# KiCad board nsec-badge-2025-panel.kicad_pcb
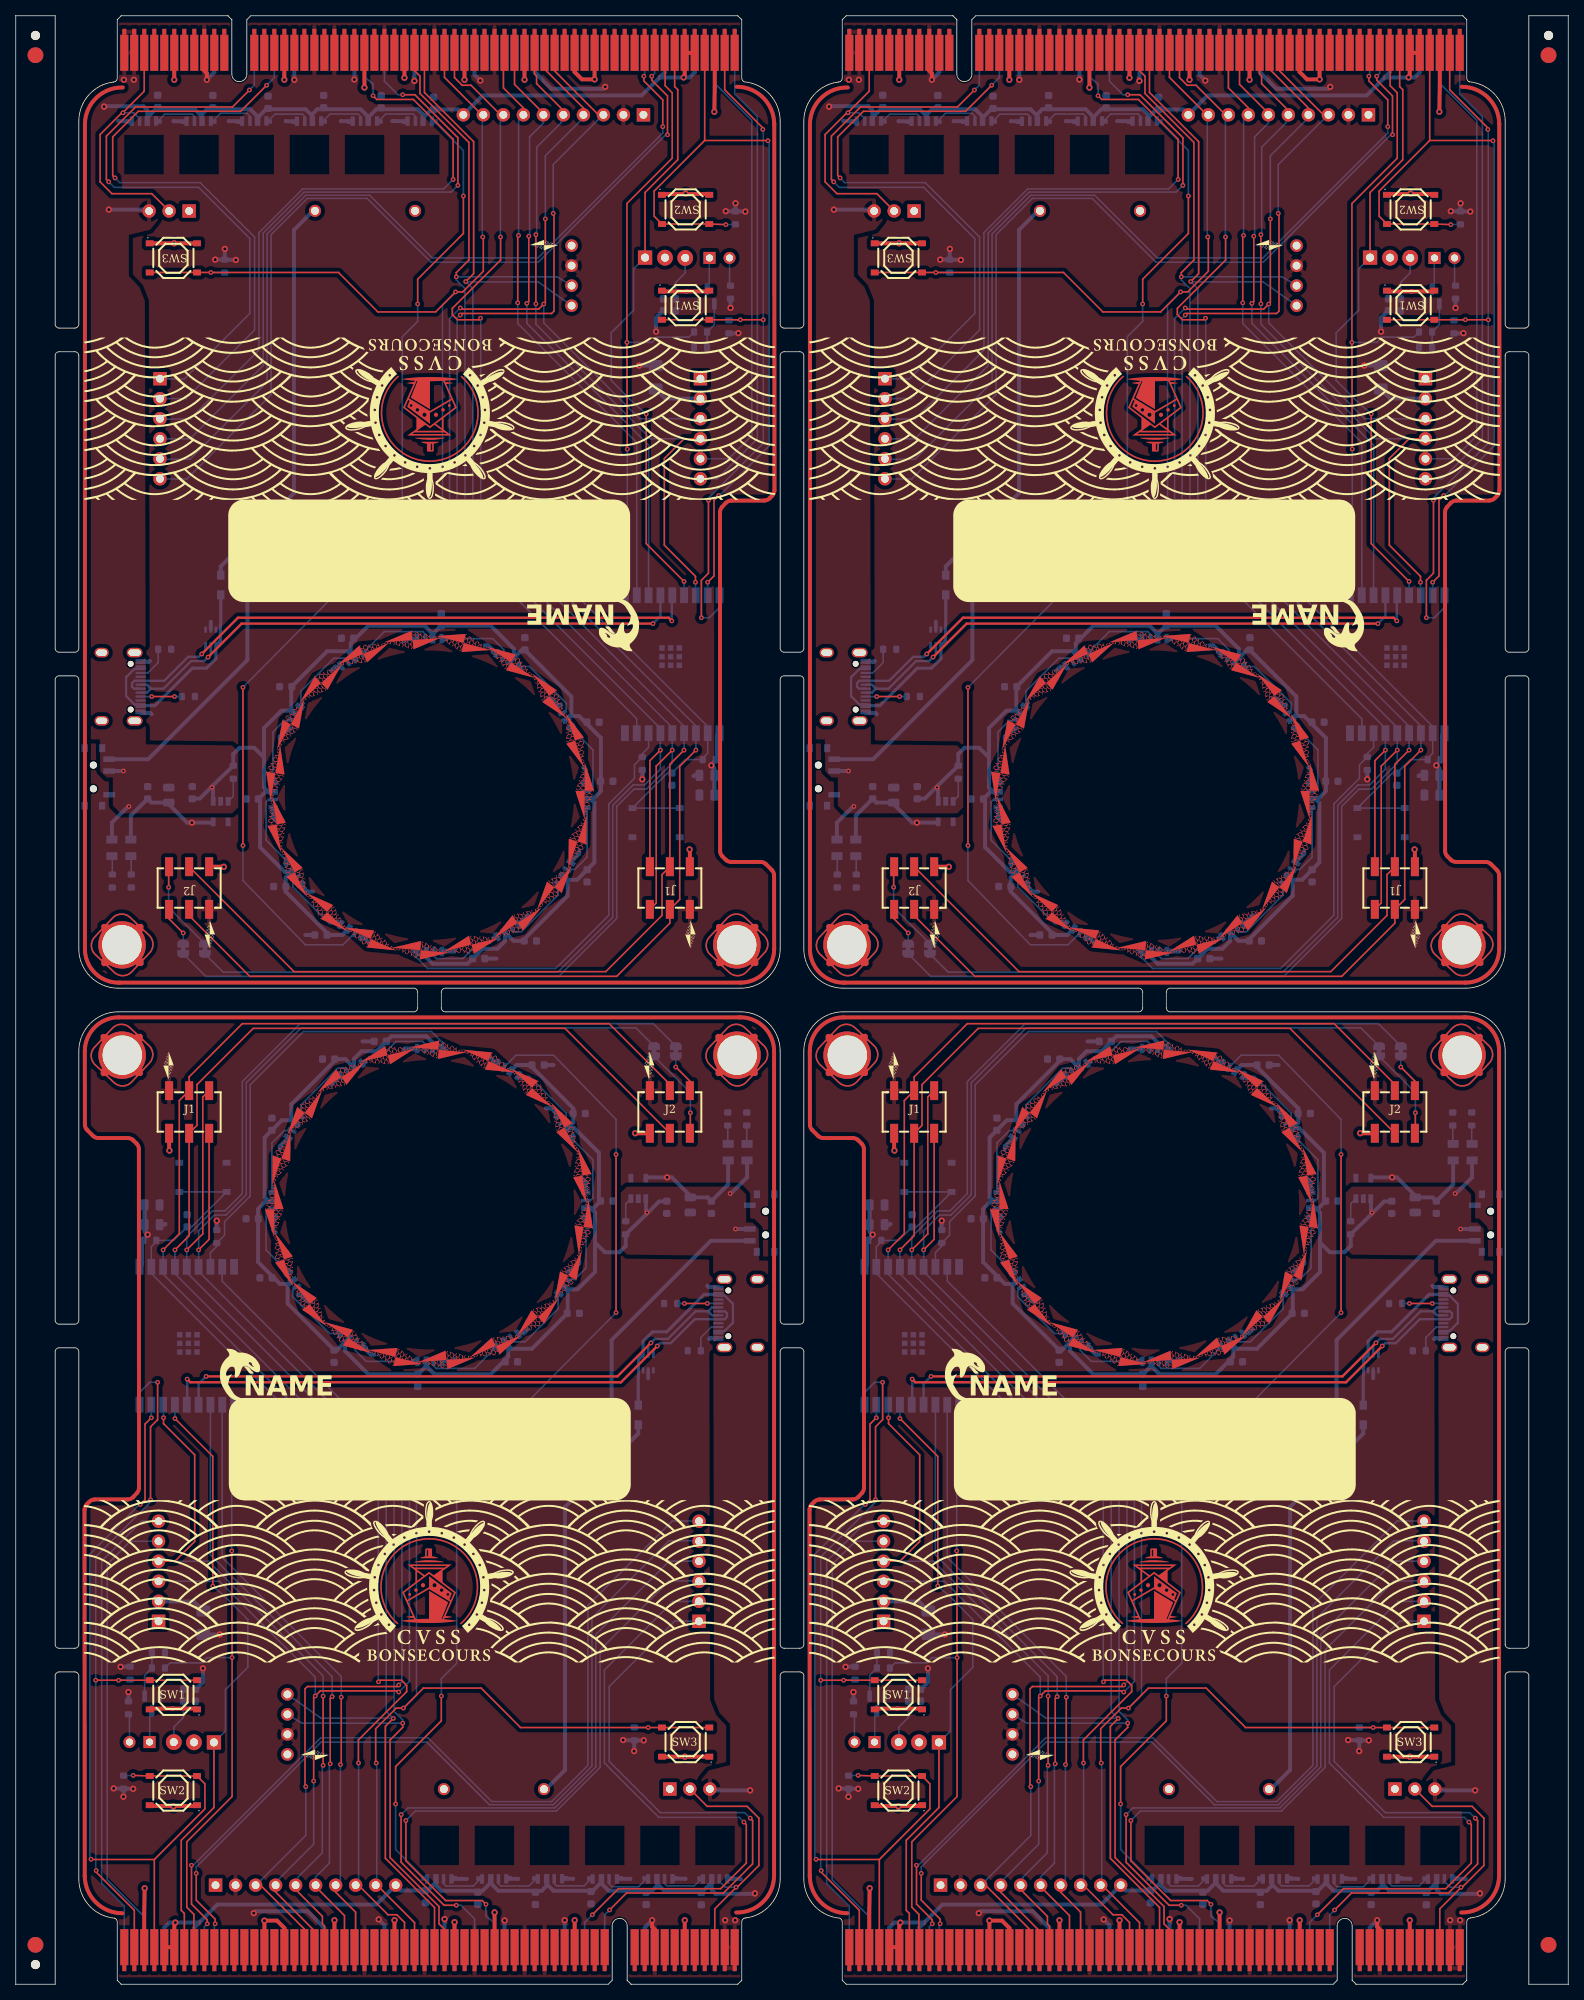
[diagram p0: board, top side]
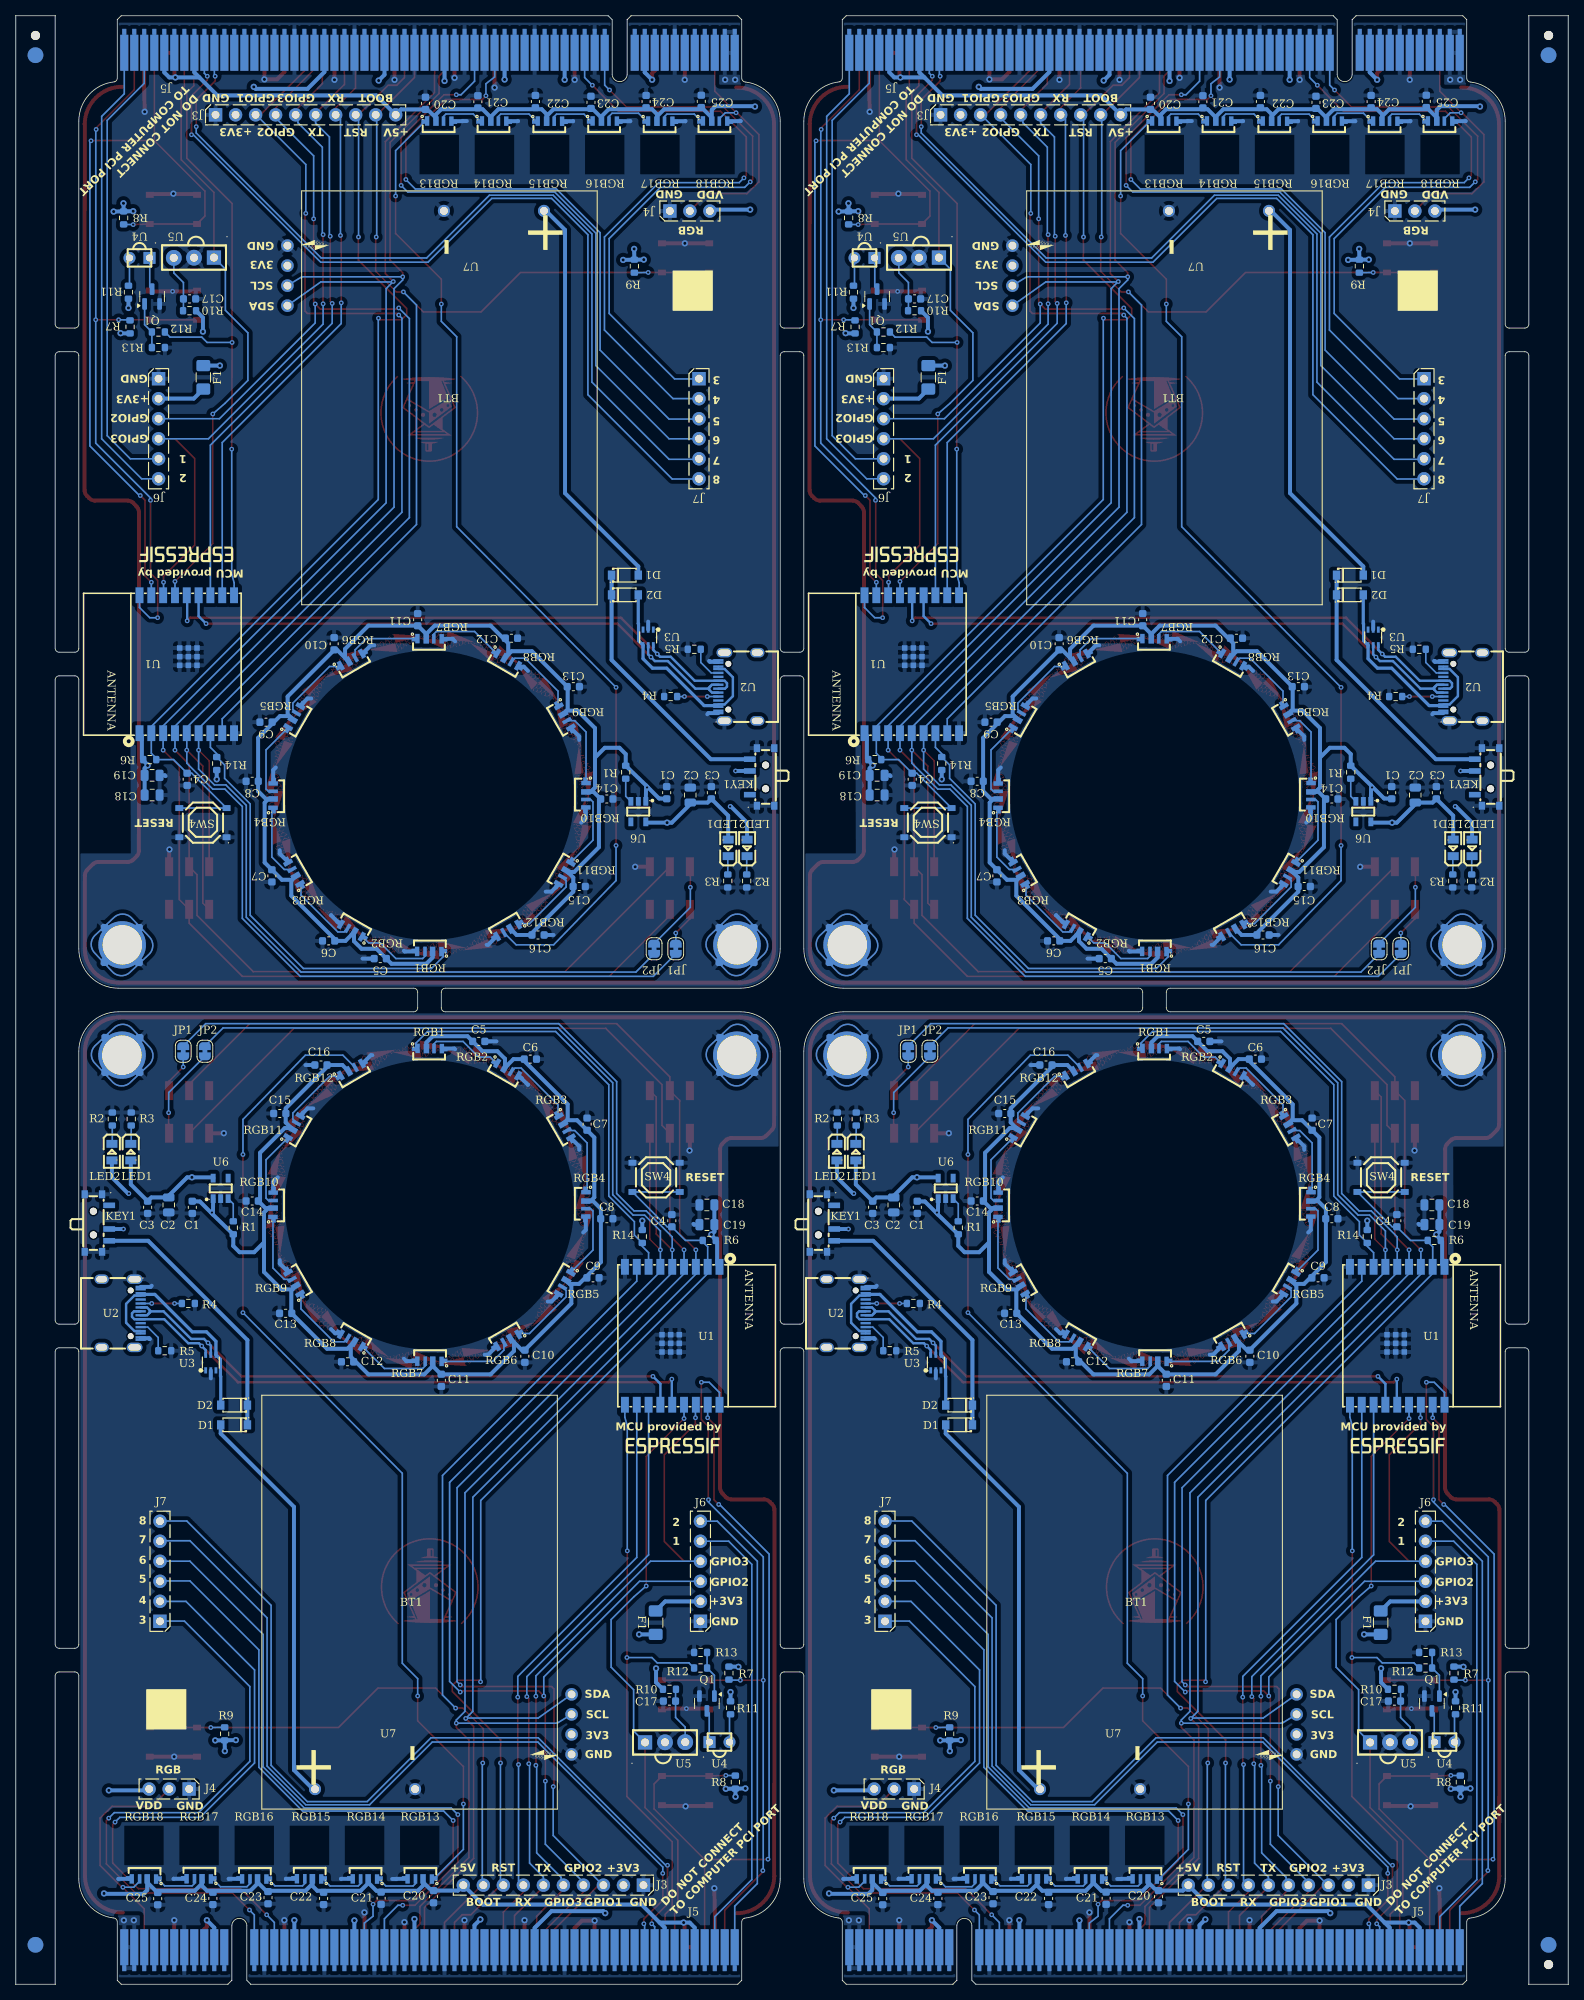
[diagram p1: board, bottom side, seen from below]

Outline 197 x 249.74 mm; copper layers: Top, Bottom. Coordinates in mm from the lower left corner of the outline.
Outline path: 0,0 0,0.01 0,249.73 0,249.74 ; 0,0 0.01,0 4.99,0 5,0 ; 0,249.74 0.01,249.74 4.99,249.74 5,249.74 ; 5,0 5,0.01 5,39.12 arc(5.15,39.48) 5.5,39.62 7.5,39.62 arc(7.85,39.48) 8,39.12 8,13.37 arc(9.3,10) 12.53,8.38 arc(12.78,8.2) 12.88,7.91 12.88,0.51 12.88,0.5 arc(13.13,0.24) 13.38,0 13.39,0 75.17,0 75.18,0 arc(75.44,0.24) 75.68,0.5 arc(75.67,3.96) 75.68,7.43 arc(76.64,8.37) 77.58,7.41 77.58,0.51 77.58,0.5 arc(77.83,0.24) 78.08,0 78.09,0 91.61,0 91.62,0 arc(91.88,0.24) 92.12,0.5 92.12,0.51 92.12,7.91 arc(92.28,8.27) 92.64,8.41 arc(95.76,10.07) 97,13.37 97,39.12 arc(97.15,39.48) 97.5,39.62 99.5,39.62 arc(99.85,39.48) 100,39.12 100,13.37 arc(101.3,10) 104.53,8.38 arc(104.78,8.2) 104.88,7.91 104.88,0.51 104.88,0.5 arc(105.13,0.24) 105.38,0 105.39,0 167.17,0 167.18,0 arc(167.44,0.24) 167.68,0.5 arc(167.67,3.96) 167.68,7.43 arc(168.64,8.37) 169.58,7.41 169.58,0.51 169.58,0.5 arc(169.83,0.24) 170.08,0 170.09,0 183.61,0 183.62,0 arc(183.88,0.24) 184.12,0.5 184.12,0.51 184.12,7.91 arc(184.28,8.27) 184.64,8.41 arc(187.76,10.07) 189,13.37 189,39.12 arc(189.15,39.48) 189.5,39.62 191.5,39.62 arc(191.86,39.48) 192,39.12 192,0.01 192,0 ; 5,249.74 5,249.73 5,210.62 arc(5.15,210.26) 5.5,210.12 7.5,210.12 arc(7.85,210.26) 8,210.62 8,236.37 arc(9.25,239.67) 12.36,241.33 arc(12.73,241.47) 12.88,241.83 12.88,249.23 12.88,249.24 arc(13.13,249.5) 13.38,249.74 13.39,249.74 26.91,249.74 26.92,249.74 arc(27.18,249.5) 27.42,249.24 27.42,249.23 27.42,242.33 arc(28.36,241.37) 29.32,242.31 arc(29.33,245.78) 29.32,249.24 arc(29.57,249.5) 29.82,249.74 29.83,249.74 91.61,249.74 91.62,249.74 arc(91.88,249.5) 92.12,249.24 92.12,249.23 92.12,241.83 arc(92.22,241.54) 92.47,241.36 arc(95.7,239.74) 97,236.37 97,210.62 arc(97.15,210.26) 97.5,210.12 99.5,210.12 arc(99.85,210.26) 100,210.62 100,236.37 arc(101.25,239.67) 104.36,241.33 arc(104.73,241.47) 104.88,241.83 104.88,249.23 104.88,249.24 arc(105.13,249.5) 105.38,249.74 105.39,249.74 118.91,249.74 118.92,249.74 arc(119.18,249.5) 119.42,249.24 119.42,249.23 119.42,242.33 arc(120.36,241.37) 121.32,242.31 arc(121.33,245.78) 121.32,249.24 arc(121.57,249.5) 121.82,249.74 121.83,249.74 183.61,249.74 183.62,249.74 arc(183.88,249.5) 184.12,249.24 184.12,249.23 184.12,241.83 arc(184.22,241.54) 184.47,241.36 arc(187.7,239.74) 189,236.37 189,210.62 arc(189.15,210.26) 189.5,210.12 191.5,210.12 arc(191.86,210.26) 192,210.62 192,249.73 192,249.74 ; 192,0 192.01,0 197,0 197,0 ; 192,249.74 192.01,249.74 197,249.74 197,249.74 ; 197,0 197,0.01 197,249.73 197,249.74 ; 5,206.62 arc(5.15,206.97) 5.5,207.12 7.5,207.12 arc(7.85,206.97) 8,206.62 8,169.49 arc(7.85,169.14) 7.5,168.99 5.5,168.99 arc(5.15,169.14) 5,169.49 5,206.62 ; 5,165.49 arc(5.15,165.85) 5.5,165.99 7.5,165.99 arc(7.85,165.85) 8,165.49 8,131.37 arc(9.47,127.83) 13,126.37 50.5,126.37 arc(50.85,126.22) 51,125.87 51,123.87 arc(50.85,123.52) 50.5,123.37 13,123.37 arc(9.47,121.91) 8,118.37 8,84.25 arc(7.85,83.89) 7.5,83.75 5.5,83.75 arc(5.15,83.89) 5,84.25 5,165.49 ; 5,80.25 arc(5.15,80.6) 5.5,80.75 7.5,80.75 arc(7.85,80.6) 8,80.25 8,43.12 arc(7.85,42.77) 7.5,42.62 5.5,42.62 arc(5.15,42.77) 5,43.12 5,80.25 ; 54,125.87 arc(54.15,126.22) 54.5,126.37 92,126.37 arc(95.54,127.83) 97,131.37 97,165.49 arc(97.15,165.85) 97.5,165.99 99.5,165.99 arc(99.85,165.85) 100,165.49 100,131.37 arc(101.47,127.83) 105,126.37 142.5,126.37 arc(142.85,126.22) 143,125.87 143,123.87 arc(142.85,123.52) 142.5,123.37 105,123.37 arc(101.47,121.91) 100,118.37 100,84.25 arc(99.85,83.89) 99.5,83.75 97.5,83.75 arc(97.15,83.89) 97,84.25 97,118.37 arc(95.54,121.91) 92,123.37 54.5,123.37 arc(54.15,123.52) 54,123.87 54,125.87 ; 97,169.49 97,206.62 arc(97.15,206.97) 97.5,207.12 99.5,207.12 arc(99.85,206.97) 100,206.62 100,169.49 arc(99.85,169.14) 99.5,168.99 97.5,168.99 arc(97.15,169.14) 97,169.49 ; 97,80.25 arc(97.15,80.6) 97.5,80.75 99.5,80.75 arc(99.85,80.6) 100,80.25 100,43.12 arc(99.85,42.77) 99.5,42.62 97.5,42.62 arc(97.15,42.77) 97,43.12 97,80.25 ; 146,125.87 arc(146.15,126.22) 146.5,126.37 184,126.37 arc(187.54,127.83) 189,131.37 189,165.49 arc(189.15,165.85) 189.5,165.99 191.5,165.99 arc(191.86,165.85) 192,165.49 192,84.25 arc(191.86,83.89) 191.5,83.75 189.5,83.75 arc(189.15,83.89) 189,84.25 189,118.37 arc(187.54,121.91) 184,123.37 146.5,123.37 arc(146.15,123.52) 146,123.87 146,125.87 ; 189,169.49 189,206.62 arc(189.15,206.97) 189.5,207.12 191.5,207.12 arc(191.86,206.97) 192,206.62 192,169.49 arc(191.86,169.14) 191.5,168.99 189.5,168.99 arc(189.15,169.14) 189,169.49 ; 189,80.25 arc(189.15,80.6) 189.5,80.75 191.5,80.75 arc(191.86,80.6) 192,80.25 192,43.12 arc(191.86,42.77) 191.5,42.62 189.5,42.62 arc(189.15,42.77) 189,43.12 189,80.25
Stack: Top 0.035mm / dielectric 1.51mm FR4 er 4.5 / Bottom 0.035mm

## Placement (name value [footprint] x y rotation side)
BT1  2479  [BAT_2479]  147.03 48.47 270 bottom
BT1#2  2479  [BAT_2479]  141.97 201.27 90 bottom
BT1#3  2479  [BAT_2479]  55.03 48.47 270 bottom
BT1#4  2479  [BAT_2479]  49.97 201.27 90 bottom
C1  1uF  [C_0603_1608Metric]  174.6 98.57 270 bottom
C1#2  1uF  [C_0603_1608Metric]  22.4 151.17 90 bottom
C1#3  1uF  [C_0603_1608Metric]  82.6 98.57 270 bottom
C1#4  1uF  [C_0603_1608Metric]  114.4 151.17 90 bottom
C2  10uF  [C_0805_2012Metric]  19.41 150.87 90 bottom
C2#2  10uF  [C_0805_2012Metric]  85.59 98.87 270 bottom
C2#3  10uF  [C_0805_2012Metric]  177.59 98.87 270 bottom
C2#4  10uF  [C_0805_2012Metric]  111.41 150.87 90 bottom
C3  1uF  [C_0603_1608Metric]  88.27 98.57 270 bottom
C3#2  1uF  [C_0603_1608Metric]  16.73 151.17 90 bottom
C3#3  1uF  [C_0603_1608Metric]  108.73 151.17 90 bottom
C3#4  1uF  [C_0603_1608Metric]  180.27 98.57 270 bottom
C4  1uF  [C_0603_1608Metric]  113.75 96.87 90 bottom
C4#2  1uF  [C_0603_1608Metric]  83.25 152.87 270 bottom
C4#3  1uF  [C_0603_1608Metric]  175.25 152.87 270 bottom
C4#4  1uF  [C_0603_1608Metric]  21.75 96.87 90 bottom
C5  0.1uF  [C_0603_1608Metric]  138.25 119.62 180 bottom
C5#2  0.1uF  [C_0603_1608Metric]  150.75 130.12 0 bottom
C5#3  0.1uF  [C_0603_1608Metric]  58.75 130.12 0 bottom
C5#4  0.1uF  [C_0603_1608Metric]  46.25 119.62 180 bottom
C6  0.1uF  [C_0603_1608Metric]  157.3 132.37 0 bottom
C6#2  0.1uF  [C_0603_1608Metric]  65.3 132.37 0 bottom
C6#3  0.1uF  [C_0603_1608Metric]  131.7 117.37 180 bottom
C6#4  0.1uF  [C_0603_1608Metric]  39.7 117.37 180 bottom
C7  0.1uF  [C_0603_1608Metric]  164.5 140.62 270 bottom
C7#2  0.1uF  [C_0603_1608Metric]  72.5 140.62 270 bottom
C7#3  0.1uF  [C_0603_1608Metric]  32.5 109.12 90 bottom
C7#4  0.1uF  [C_0603_1608Metric]  124.5 109.12 90 bottom
C8  0.1uF  [C_0603_1608Metric]  122 97.12 180 bottom
C8#2  0.1uF  [C_0603_1608Metric]  167 152.62 0 bottom
C8#3  0.1uF  [C_0603_1608Metric]  30 97.12 180 bottom
C8#4  0.1uF  [C_0603_1608Metric]  75 152.62 0 bottom
C9  0.1uF  [C_0603_1608Metric]  31.75 89.62 180 bottom
C9#2  0.1uF  [C_0603_1608Metric]  165.25 160.12 0 bottom
C9#3  0.1uF  [C_0603_1608Metric]  73.25 160.12 0 bottom
C9#4  0.1uF  [C_0603_1608Metric]  123.75 89.62 180 bottom
C10  0.1uF  [C_0603_1608Metric]  132.4 79.67 270 bottom
C10#2  0.1uF  [C_0603_1608Metric]  64.6 170.07 90 bottom
C10#3  0.1uF  [C_0603_1608Metric]  156.6 170.07 90 bottom
C10#4  0.1uF  [C_0603_1608Metric]  40.4 79.67 270 bottom
C11  0.1uF  [C_0603_1608Metric]  54 173.12 90 bottom
C11#2  0.1uF  [C_0603_1608Metric]  51 76.62 270 bottom
C11#3  0.1uF  [C_0603_1608Metric]  143 76.62 270 bottom
C11#4  0.1uF  [C_0603_1608Metric]  146 173.12 90 bottom
C12  0.1uF  [C_0603_1608Metric]  62.9 78.97 0 bottom
C12#2  0.1uF  [C_0603_1608Metric]  154.9 78.97 0 bottom
C12#3  0.1uF  [C_0603_1608Metric]  134.1 170.77 180 bottom
C12#4  0.1uF  [C_0603_1608Metric]  42.1 170.77 180 bottom
C13  0.1uF  [C_0603_1608Metric]  126.25 164.62 180 bottom
C13#2  0.1uF  [C_0603_1608Metric]  70.75 85.12 0 bottom
C13#3  0.1uF  [C_0603_1608Metric]  34.25 164.62 180 bottom
C13#4  0.1uF  [C_0603_1608Metric]  162.75 85.12 0 bottom
C14  0.1uF  [C_0603_1608Metric]  30 150.37 180 bottom
C14#2  0.1uF  [C_0603_1608Metric]  167 99.37 0 bottom
C14#3  0.1uF  [C_0603_1608Metric]  75 99.37 0 bottom
C14#4  0.1uF  [C_0603_1608Metric]  122 150.37 180 bottom
C15  0.1uF  [C_0603_1608Metric]  163.5 110.47 0 bottom
C15#2  0.1uF  [C_0603_1608Metric]  125.5 139.27 180 bottom
C15#3  0.1uF  [C_0603_1608Metric]  33.5 139.27 180 bottom
C15#4  0.1uF  [C_0603_1608Metric]  71.5 110.47 0 bottom
C16  0.1uF  [C_0603_1608Metric]  38.73 133.12 180 bottom
C16#2  0.1uF  [C_0603_1608Metric]  130.73 133.12 180 bottom
C16#3  0.1uF  [C_0603_1608Metric]  66.28 116.62 0 bottom
C16#4  0.1uF  [C_0603_1608Metric]  158.28 116.62 0 bottom
C17  1uF  [C_0603_1608Metric]  174.95 213.82 180 bottom
C17#2  1uF  [C_0603_1608Metric]  82.95 213.82 180 bottom
C17#3  1uF  [C_0603_1608Metric]  22.05 35.92 0 bottom
C17#4  1uF  [C_0603_1608Metric]  114.05 35.92 0 bottom
C18  10uF  [C_0805_2012Metric]  109.3 98.87 0 bottom
C18#2  10uF  [C_0805_2012Metric]  87.7 150.87 180 bottom
C18#3  10uF  [C_0805_2012Metric]  179.7 150.87 180 bottom
C18#4  10uF  [C_0805_2012Metric]  17.3 98.87 0 bottom
C19  0.1uF  [C_0805_2012Metric]  109.3 96.37 0 bottom
C19#2  0.1uF  [C_0805_2012Metric]  17.3 96.37 0 bottom
C19#3  0.1uF  [C_0805_2012Metric]  87.7 153.37 180 bottom
C19#4  0.1uF  [C_0805_2012Metric]  179.7 153.37 180 bottom
C20  0.1uF  [C_0603_1608Metric]  145.01 238.63 90 bottom
C20#2  0.1uF  [C_0603_1608Metric]  53.01 238.63 90 bottom
C20#3  0.1uF  [C_0603_1608Metric]  51.99 11.11 270 bottom
C20#4  0.1uF  [C_0603_1608Metric]  143.99 11.11 270 bottom
C21  0.1uF  [C_0603_1608Metric]  58.64 10.91 270 bottom
C21#2  0.1uF  [C_0603_1608Metric]  138.36 238.83 90 bottom
C21#3  0.1uF  [C_0603_1608Metric]  150.64 10.91 270 bottom
C21#4  0.1uF  [C_0603_1608Metric]  46.36 238.83 90 bottom
C22  0.1uF  [C_0603_1608Metric]  65.94 10.88 270 bottom
C22#2  0.1uF  [C_0603_1608Metric]  157.94 10.88 270 bottom
C22#3  0.1uF  [C_0603_1608Metric]  131.06 238.86 90 bottom
C22#4  0.1uF  [C_0603_1608Metric]  39.06 238.86 90 bottom
C23  0.1uF  [C_0603_1608Metric]  164.99 10.98 270 bottom
C23#2  0.1uF  [C_0603_1608Metric]  72.99 10.98 270 bottom
C23#3  0.1uF  [C_0603_1608Metric]  124.01 238.76 90 bottom
C23#4  0.1uF  [C_0603_1608Metric]  32.01 238.76 90 bottom
C24  0.1uF  [C_0603_1608Metric]  79.99 10.88 270 bottom
C24#2  0.1uF  [C_0603_1608Metric]  117.01 238.86 90 bottom
C24#3  0.1uF  [C_0603_1608Metric]  171.99 10.88 270 bottom
C24#4  0.1uF  [C_0603_1608Metric]  25.01 238.86 90 bottom
C25  0.1uF  [C_0603_1608Metric]  18.01 238.88 90 bottom
C25#2  0.1uF  [C_0603_1608Metric]  86.99 10.86 270 bottom
C25#3  0.1uF  [C_0603_1608Metric]  110.01 238.88 90 bottom
C25#4  0.1uF  [C_0603_1608Metric]  178.99 10.86 270 bottom
D1  MBR120LSF  [SOD-123_L2.8-W1.8-LS3.7-RD]  169.3 70.97 0 bottom
D1#2  MBR120LSF  [SOD-123_L2.8-W1.8-LS3.7-RD]  27.7 178.77 180 bottom
D1#3  MBR120LSF  [SOD-123_L2.8-W1.8-LS3.7-RD]  77.3 70.97 0 bottom
D1#4  MBR120LSF  [SOD-123_L2.8-W1.8-LS3.7-RD]  119.7 178.77 180 bottom
D2  MBR120LSF  [SOD-123_L2.8-W1.8-LS3.7-RD]  77.3 73.47 0 bottom
D2#2  MBR120LSF  [SOD-123_L2.8-W1.8-LS3.7-RD]  119.7 176.27 180 bottom
D2#3  MBR120LSF  [SOD-123_L2.8-W1.8-LS3.7-RD]  27.7 176.27 180 bottom
D2#4  MBR120LSF  [SOD-123_L2.8-W1.8-LS3.7-RD]  169.3 73.47 0 bottom
F1  Fuse_Small  [Fuse_1206_3216Metric_Pad1.42x1.75mm_HandSolder]  81.2 203.87 270 bottom
F1#2  Fuse_Small  [Fuse_1206_3216Metric_Pad1.42x1.75mm_HandSolder]  115.8 45.87 90 bottom
F1#3  Fuse_Small  [Fuse_1206_3216Metric_Pad1.42x1.75mm_HandSolder]  173.2 203.87 270 bottom
F1#4  Fuse_Small  [Fuse_1206_3216Metric_Pad1.42x1.75mm_HandSolder]  23.8 45.87 90 bottom
HOLE1  -  [LANYARD-HOLE-4mm]  105.46 131.87 180 top
HOLE1#2  -  [LANYARD-HOLE-4mm]  183.54 117.87 0 top
HOLE1#3  -  [LANYARD-HOLE-4mm]  91.54 117.87 0 top
HOLE1#4  -  [LANYARD-HOLE-4mm]  13.46 131.87 180 top
HOLE2  -  [LANYARD-HOLE-4mm]  13.52 117.87 0 top
HOLE2#2  -  [LANYARD-HOLE-4mm]  105.52 117.87 0 top
HOLE2#3  -  [LANYARD-HOLE-4mm]  183.48 131.87 180 top
HOLE2#4  -  [LANYARD-HOLE-4mm]  91.48 131.87 180 top
J1  PM254-2-03-S-8_5  [HDR-SMD_6P-P2.54-V-F-R2-C3-LS7.0]  114 110.67 0 top
J1#2  PM254-2-03-S-8_5  [HDR-SMD_6P-P2.54-V-F-R2-C3-LS7.0]  83 139.07 180 top
J1#3  PM254-2-03-S-8_5  [HDR-SMD_6P-P2.54-V-F-R2-C3-LS7.0]  22 110.67 0 top
J1#4  PM254-2-03-S-8_5  [HDR-SMD_6P-P2.54-V-F-R2-C3-LS7.0]  175 139.07 180 top
J2  PM254-2-03-S-8_5  [HDR-SMD_6P-P2.54-V-F-R2-C3-LS7.0]  114 139.07 180 top
J2#2  PM254-2-03-S-8_5  [HDR-SMD_6P-P2.54-V-F-R2-C3-LS7.0]  22 139.07 180 top
J2#3  PM254-2-03-S-8_5  [HDR-SMD_6P-P2.54-V-F-R2-C3-LS7.0]  83 110.67 0 top
J2#4  PM254-2-03-S-8_5  [HDR-SMD_6P-P2.54-V-F-R2-C3-LS7.0]  175 110.67 0 top
J3  Conn_01x10  [PinHeader_1x10_P2.54mm_Vertical]  25.35 12.57 270 bottom  (not fitted)
J3#2  Conn_01x10  [PinHeader_1x10_P2.54mm_Vertical]  117.35 12.57 270 bottom  (not fitted)
J3#3  Conn_01x10  [PinHeader_1x10_P2.54mm_Vertical]  79.65 237.17 90 bottom  (not fitted)
J3#4  Conn_01x10  [PinHeader_1x10_P2.54mm_Vertical]  171.65 237.17 90 bottom  (not fitted)
J4  Conn_01x03_Pin  [PinSocket_1x03_P2.54mm_Vertical]  114 224.97 270 top  (not fitted)
J4#2  Conn_01x03_Pin  [PinSocket_1x03_P2.54mm_Vertical]  175 24.77 90 top  (not fitted)
J4#3  Conn_01x03_Pin  [PinSocket_1x03_P2.54mm_Vertical]  83 24.77 90 top  (not fitted)
J4#4  Conn_01x03_Pin  [PinSocket_1x03_P2.54mm_Vertical]  22 224.97 270 top  (not fitted)
J5  Bus_PCI_32bit_Universal  [BUS_PCI]  144.5 246.37 180 top
J5#2  Bus_PCI_32bit_Universal  [BUS_PCI]  52.5 3.37 0 top
J5#3  Bus_PCI_32bit_Universal  [BUS_PCI]  144.5 3.37 0 top
J5#4  Bus_PCI_32bit_Universal  [BUS_PCI]  52.5 246.37 180 top
J6  Conn_01x06  [PinSocket_1x06_P2.54mm_Vertical]  178.88 203.69 0 top
J6#2  Conn_01x06  [PinSocket_1x06_P2.54mm_Vertical]  86.88 203.69 0 top
J6#3  Conn_01x06  [PinSocket_1x06_P2.54mm_Vertical]  18.12 46.05 180 top
J6#4  Conn_01x06  [PinSocket_1x06_P2.54mm_Vertical]  110.12 46.05 180 top
J7  Conn_01x06  [PinSocket_1x06_P2.54mm_Vertical]  110.3 203.69 0 top
J7#2  Conn_01x06  [PinSocket_1x06_P2.54mm_Vertical]  86.7 46.05 180 top
J7#3  Conn_01x06  [PinSocket_1x06_P2.54mm_Vertical]  178.7 46.05 180 top
J7#4  Conn_01x06  [PinSocket_1x06_P2.54mm_Vertical]  18.3 203.69 0 top
JP1  SolderJumper  [SolderJumper-2_P1.3mm_Bridged_RoundedPad1.0x1.5mm]  21.25 131.37 270 bottom
JP1#2  SolderJumper  [SolderJumper-2_P1.3mm_Bridged_RoundedPad1.0x1.5mm]  175.75 118.37 90 bottom
JP1#3  SolderJumper  [SolderJumper-2_P1.3mm_Bridged_RoundedPad1.0x1.5mm]  83.75 118.37 90 bottom
JP1#4  SolderJumper  [SolderJumper-2_P1.3mm_Bridged_RoundedPad1.0x1.5mm]  113.25 131.37 270 bottom
JP2  SolderJumper  [SolderJumper-2_P1.3mm_Bridged_RoundedPad1.0x1.5mm]  116 131.37 90 bottom
JP2#2  SolderJumper  [SolderJumper-2_P1.3mm_Bridged_RoundedPad1.0x1.5mm]  173 118.37 270 bottom
JP2#3  SolderJumper  [SolderJumper-2_P1.3mm_Bridged_RoundedPad1.0x1.5mm]  81 118.37 270 bottom
JP2#4  SolderJumper  [SolderJumper-2_P1.3mm_Bridged_RoundedPad1.0x1.5mm]  24 131.37 90 bottom
KEY1  SSSS811101  [SW-SMD_SSSS811101]  10.3 153.17 90 bottom
KEY1#2  SSSS811101  [SW-SMD_SSSS811101]  94.7 96.57 270 bottom
KEY1#3  SSSS811101  [SW-SMD_SSSS811101]  186.7 96.57 270 bottom
KEY1#4  SSSS811101  [SW-SMD_SSSS811101]  102.3 153.17 90 bottom
KiKit_FID_B_1  -  [Fiducial]  2.5 244.74 0 bottom
KiKit_FID_B_2  -  [Fiducial]  194.5 244.74 0 bottom
KiKit_FID_B_3  -  [Fiducial]  2.5 5 0 bottom
KiKit_FID_B_4  -  [Fiducial]  194.5 5 0 bottom
KiKit_FID_T_1  -  [Fiducial]  2.5 244.74 0 top
KiKit_FID_T_2  -  [Fiducial]  194.5 244.74 0 top
KiKit_FID_T_3  -  [Fiducial]  2.5 5 0 top
KiKit_FID_T_4  -  [Fiducial]  194.5 5 0 top
KiKit_TO_1  -  [NPTH]  2.5 247.24 0 top
KiKit_TO_2  -  [NPTH]  194.5 247.24 0 top
KiKit_TO_3  -  [NPTH]  2.5 2.5 0 top
LED1  FC-2012HRK-620D  [LED0805-R-RD]  92.8 105.57 270 bottom
LED1#2  FC-2012HRK-620D  [LED0805-R-RD]  104.2 144.17 90 bottom
LED1#3  FC-2012HRK-620D  [LED0805-R-RD]  184.8 105.57 270 bottom
LED1#4  FC-2012HRK-620D  [LED0805-R-RD]  12.2 144.17 90 bottom
LED2  FC-2012HRK-620D  [LED0805-R-RD]  106.6 144.17 90 bottom
LED2#2  FC-2012HRK-620D  [LED0805-R-RD]  182.4 105.57 270 bottom
LED2#3  FC-2012HRK-620D  [LED0805-R-RD]  14.6 144.17 90 bottom
LED2#4  FC-2012HRK-620D  [LED0805-R-RD]  90.4 105.57 270 bottom
Q1  MMBT3904  [SOT-23]  179.7 214.12 90 bottom
Q1#2  MMBT3904  [SOT-23]  109.3 35.62 270 bottom
Q1#3  MMBT3904  [SOT-23]  87.7 214.12 90 bottom
Q1#4  MMBT3904  [SOT-23]  17.3 35.62 270 bottom
R1  100K  [R_0603_1608Metric]  119.6 153.77 270 bottom
R1#2  100K  [R_0603_1608Metric]  27.6 153.77 270 bottom
R1#3  100K  [R_0603_1608Metric]  77.4 95.97 90 bottom
R1#4  100K  [R_0603_1608Metric]  169.4 95.97 90 bottom
R2  5.1K  [R_0603_1608Metric]  104.25 139.97 270 bottom
R2#2  5.1K  [R_0603_1608Metric]  184.75 109.77 90 bottom
R2#3  5.1K  [R_0603_1608Metric]  12.25 139.97 270 bottom
R2#4  5.1K  [R_0603_1608Metric]  92.75 109.77 90 bottom
R3  5.1K  [R_0603_1608Metric]  14.65 139.97 270 bottom
R3#2  5.1K  [R_0603_1608Metric]  90.35 109.77 90 bottom
R3#3  5.1K  [R_0603_1608Metric]  106.65 139.97 270 bottom
R3#4  5.1K  [R_0603_1608Metric]  182.35 109.77 90 bottom
R4  5.1K  [R_0603_1608Metric]  175.1 86.37 180 bottom
R4#2  5.1K  [R_0603_1608Metric]  113.9 163.37 0 bottom
R4#3  5.1K  [R_0603_1608Metric]  21.9 163.37 0 bottom
R4#4  5.1K  [R_0603_1608Metric]  83.1 86.37 180 bottom
R5  5.1K  [R_0603_1608Metric]  18.9 169.37 0 bottom
R5#2  5.1K  [R_0603_1608Metric]  110.9 169.37 0 bottom
R5#3  5.1K  [R_0603_1608Metric]  178.1 80.37 180 bottom
R5#4  5.1K  [R_0603_1608Metric]  86.1 80.37 180 bottom
R6  10K  [R_0603_1608Metric]  180 155.37 180 bottom
R6#2  10K  [R_0603_1608Metric]  17 94.37 0 bottom
R6#3  10K  [R_0603_1608Metric]  88 155.37 180 bottom
R6#4  10K  [R_0603_1608Metric]  109 94.37 0 bottom
R7  10K  [R_0603_1608Metric]  182.5 210.27 90 bottom
R7#2  10K  [R_0603_1608Metric]  90.5 210.27 90 bottom
R7#3  10K  [R_0603_1608Metric]  106.5 39.47 270 bottom
R7#4  10K  [R_0603_1608Metric]  14.5 39.47 270 bottom
R8  10K  [R_0603_1608Metric]  183.31 224.1 270 bottom
R8#2  10K  [R_0603_1608Metric]  91.31 224.1 270 bottom
R8#3  10K  [R_0603_1608Metric]  105.69 25.64 90 bottom
R8#4  10K  [R_0603_1608Metric]  13.69 25.64 90 bottom
R9  10K  [R_0603_1608Metric]  26.51 217.97 270 bottom
R9#2  10K  [R_0603_1608Metric]  170.5 31.77 90 bottom
R9#3  10K  [R_0603_1608Metric]  78.5 31.77 90 bottom
R9#4  10K  [R_0603_1608Metric]  118.51 217.97 270 bottom
R10  470  [R_0603_1608Metric]  114.05 37.42 180 bottom
R10#2  470  [R_0603_1608Metric]  22.05 37.42 180 bottom
R10#3  470  [R_0603_1608Metric]  174.95 212.32 0 bottom
R10#4  470  [R_0603_1608Metric]  82.95 212.32 0 bottom
R11  56  [R_0603_1608Metric]  14.3 35.07 270 bottom
R11#2  56  [R_0603_1608Metric]  90.7 214.67 90 bottom
R11#3  56  [R_0603_1608Metric]  106.3 35.07 270 bottom
R11#4  56  [R_0603_1608Metric]  182.7 214.67 90 bottom
R12  1K  [R_0603_1608Metric]  18.1 40.12 180 bottom
R12#2  1K  [R_0603_1608Metric]  178.9 209.62 0 bottom
R12#3  1K  [R_0603_1608Metric]  86.9 209.62 0 bottom
R12#4  1K  [R_0603_1608Metric]  110.1 40.12 180 bottom
R13  100K  [R_0603_1608Metric]  178.9 207.65 0 bottom
R13#2  100K  [R_0603_1608Metric]  18.1 42.09 180 bottom
R13#3  100K  [R_0603_1608Metric]  86.9 207.65 0 bottom
R13#4  100K  [R_0603_1608Metric]  110.1 42.09 180 bottom
R14  10K  [R_0603_1608Metric]  171.5 154.87 90 bottom
R14#2  10K  [R_0603_1608Metric]  117.5 94.87 270 bottom
R14#3  10K  [R_0603_1608Metric]  25.5 94.87 270 bottom
R14#4  10K  [R_0603_1608Metric]  79.5 154.87 90 bottom
REF**  -  [Crown]  52.32 151.33 180 top
REF**#2  -  [BORDER-LINE]  147.63 177.24 180 top
REF**#3  -  [BORDER-LINE]  141.38 72.5 0 top
REF**#4  -  [BORDER-LINE]  49.38 72.5 0 top
REF**#5  -  [Logo]  144.58 198.7 180 top
REF**#6  -  [Name_Tag]  168.96 175.46 180 top
REF**#7  -  [Logo]  52.58 198.7 180 top
REF**#8  -  [Name_Tag]  120.04 74.28 0 top
REF**#9  -  [Logo]  144.42 51.04 0 top
REF**#10  -  [Name_Tag]  76.96 175.46 180 top
REF**#11  -  [Crown]  144.32 151.33 180 top
REF**#12  -  [Name_Tag]  28.04 74.28 0 top
REF**#13  -  [Crown]  144.68 98.41 0 top
REF**#14  -  [Crown]  52.68 98.41 0 top
REF**#15  -  [BORDER-LINE]  55.63 177.24 180 top
REF**#16  -  [Logo]  52.42 51.04 0 top
RGB1  SK6812SIDE-A_C5378721  [LED-SMD_SK6812SIDE-A_C5378721]  144.47 118.72 180 bottom
RGB1#2  SK6812SIDE-A_C5378721  [LED-SMD_SK6812SIDE-A_C5378721]  52.47 118.72 180 bottom
RGB1#3  SK6812SIDE-A_C5378721  [LED-SMD_SK6812SIDE-A_C5378721]  52.53 131.02 0 bottom
RGB1#4  SK6812SIDE-A_C5378721  [LED-SMD_SK6812SIDE-A_C5378721]  144.53 131.02 0 bottom
RGB2  SK6812SIDE-A_C5378721  [LED-SMD_SK6812SIDE-A_C5378721]  154.42 133.69 30 bottom
RGB2#2  SK6812SIDE-A_C5378721  [LED-SMD_SK6812SIDE-A_C5378721]  134.59 116.05 210 bottom
RGB2#3  SK6812SIDE-A_C5378721  [LED-SMD_SK6812SIDE-A_C5378721]  62.42 133.69 30 bottom
RGB2#4  SK6812SIDE-A_C5378721  [LED-SMD_SK6812SIDE-A_C5378721]  42.59 116.05 210 bottom
RGB3  SK6812SIDE-A_C5378721  [LED-SMD_SK6812SIDE-A_C5378721]  161.68 140.95 60 bottom
RGB3#2  SK6812SIDE-A_C5378721  [LED-SMD_SK6812SIDE-A_C5378721]  69.68 140.95 60 bottom
RGB3#3  SK6812SIDE-A_C5378721  [LED-SMD_SK6812SIDE-A_C5378721]  35.32 108.79 240 bottom
RGB3#4  SK6812SIDE-A_C5378721  [LED-SMD_SK6812SIDE-A_C5378721]  127.32 108.79 240 bottom
RGB4  SK6812SIDE-A_C5378721  [LED-SMD_SK6812SIDE-A_C5378721]  164.35 150.8 90 bottom
RGB4#2  SK6812SIDE-A_C5378721  [LED-SMD_SK6812SIDE-A_C5378721]  72.35 150.8 90 bottom
RGB4#3  SK6812SIDE-A_C5378721  [LED-SMD_SK6812SIDE-A_C5378721]  124.65 98.94 270 bottom
RGB4#4  SK6812SIDE-A_C5378721  [LED-SMD_SK6812SIDE-A_C5378721]  32.65 98.94 270 bottom
RGB5  SK6812SIDE-A_C5378721  [LED-SMD_SK6812SIDE-A_C5378721]  35.34 88.93 300 bottom
RGB5#2  SK6812SIDE-A_C5378721  [LED-SMD_SK6812SIDE-A_C5378721]  161.66 160.81 120 bottom
RGB5#3  SK6812SIDE-A_C5378721  [LED-SMD_SK6812SIDE-A_C5378721]  69.66 160.81 120 bottom
RGB5#4  SK6812SIDE-A_C5378721  [LED-SMD_SK6812SIDE-A_C5378721]  127.34 88.93 300 bottom
RGB6  SK6812SIDE-A_C5378721  [LED-SMD_SK6812SIDE-A_C5378721]  154.42 168.05 150 bottom
RGB6#2  SK6812SIDE-A_C5378721  [LED-SMD_SK6812SIDE-A_C5378721]  42.59 81.69 330 bottom
RGB6#3  SK6812SIDE-A_C5378721  [LED-SMD_SK6812SIDE-A_C5378721]  134.59 81.69 330 bottom
RGB6#4  SK6812SIDE-A_C5378721  [LED-SMD_SK6812SIDE-A_C5378721]  62.42 168.05 150 bottom
RGB7  SK6812SIDE-A_C5378721  [LED-SMD_SK6812SIDE-A_C5378721]  144.49 170.71 180 bottom
RGB7#2  SK6812SIDE-A_C5378721  [LED-SMD_SK6812SIDE-A_C5378721]  52.51 79.03 0 bottom
RGB7#3  SK6812SIDE-A_C5378721  [LED-SMD_SK6812SIDE-A_C5378721]  144.51 79.03 0 bottom
RGB7#4  SK6812SIDE-A_C5378721  [LED-SMD_SK6812SIDE-A_C5378721]  52.49 170.71 180 bottom
RGB8  SK6812SIDE-A_C5378721  [LED-SMD_SK6812SIDE-A_C5378721]  42.59 168.05 210 bottom
RGB8#2  SK6812SIDE-A_C5378721  [LED-SMD_SK6812SIDE-A_C5378721]  134.59 168.05 210 bottom
RGB8#3  SK6812SIDE-A_C5378721  [LED-SMD_SK6812SIDE-A_C5378721]  62.42 81.69 30 bottom
RGB8#4  SK6812SIDE-A_C5378721  [LED-SMD_SK6812SIDE-A_C5378721]  154.42 81.69 30 bottom
RGB9  SK6812SIDE-A_C5378721  [LED-SMD_SK6812SIDE-A_C5378721]  69.68 88.95 60 bottom
RGB9#2  SK6812SIDE-A_C5378721  [LED-SMD_SK6812SIDE-A_C5378721]  161.68 88.95 60 bottom
RGB9#3  SK6812SIDE-A_C5378721  [LED-SMD_SK6812SIDE-A_C5378721]  35.32 160.79 240 bottom
RGB9#4  SK6812SIDE-A_C5378721  [LED-SMD_SK6812SIDE-A_C5378721]  127.32 160.79 240 bottom
RGB10  SK6812SIDE-A_C5378721  [LED-SMD_SK6812SIDE-A_C5378721]  32.65 150.85 270 bottom
RGB10#2  SK6812SIDE-A_C5378721  [LED-SMD_SK6812SIDE-A_C5378721]  72.35 98.89 90 bottom
RGB10#3  SK6812SIDE-A_C5378721  [LED-SMD_SK6812SIDE-A_C5378721]  164.35 98.89 90 bottom
RGB10#4  SK6812SIDE-A_C5378721  [LED-SMD_SK6812SIDE-A_C5378721]  124.65 150.85 270 bottom
RGB11  SK6812SIDE-A_C5378721  [LED-SMD_SK6812SIDE-A_C5378721]  69.66 108.81 120 bottom
RGB11#2  SK6812SIDE-A_C5378721  [LED-SMD_SK6812SIDE-A_C5378721]  127.34 140.93 300 bottom
RGB11#3  SK6812SIDE-A_C5378721  [LED-SMD_SK6812SIDE-A_C5378721]  35.34 140.93 300 bottom